# Altium PCB SAMA5D27-SOM1-MFG-03.PcbDoc (part 3 of 6)
Units mm, origin at the board's own origin, x right, y up, seen from the top; angles counter-clockwise.
Board outline 40.03 x 38.03 mm, 6 copper layers (TOP, GND, IN2, IN3, PWR, BOTTOM), stack 1.24 mm thick; 188 components, 224 nets, 901 pads, 644 vias.
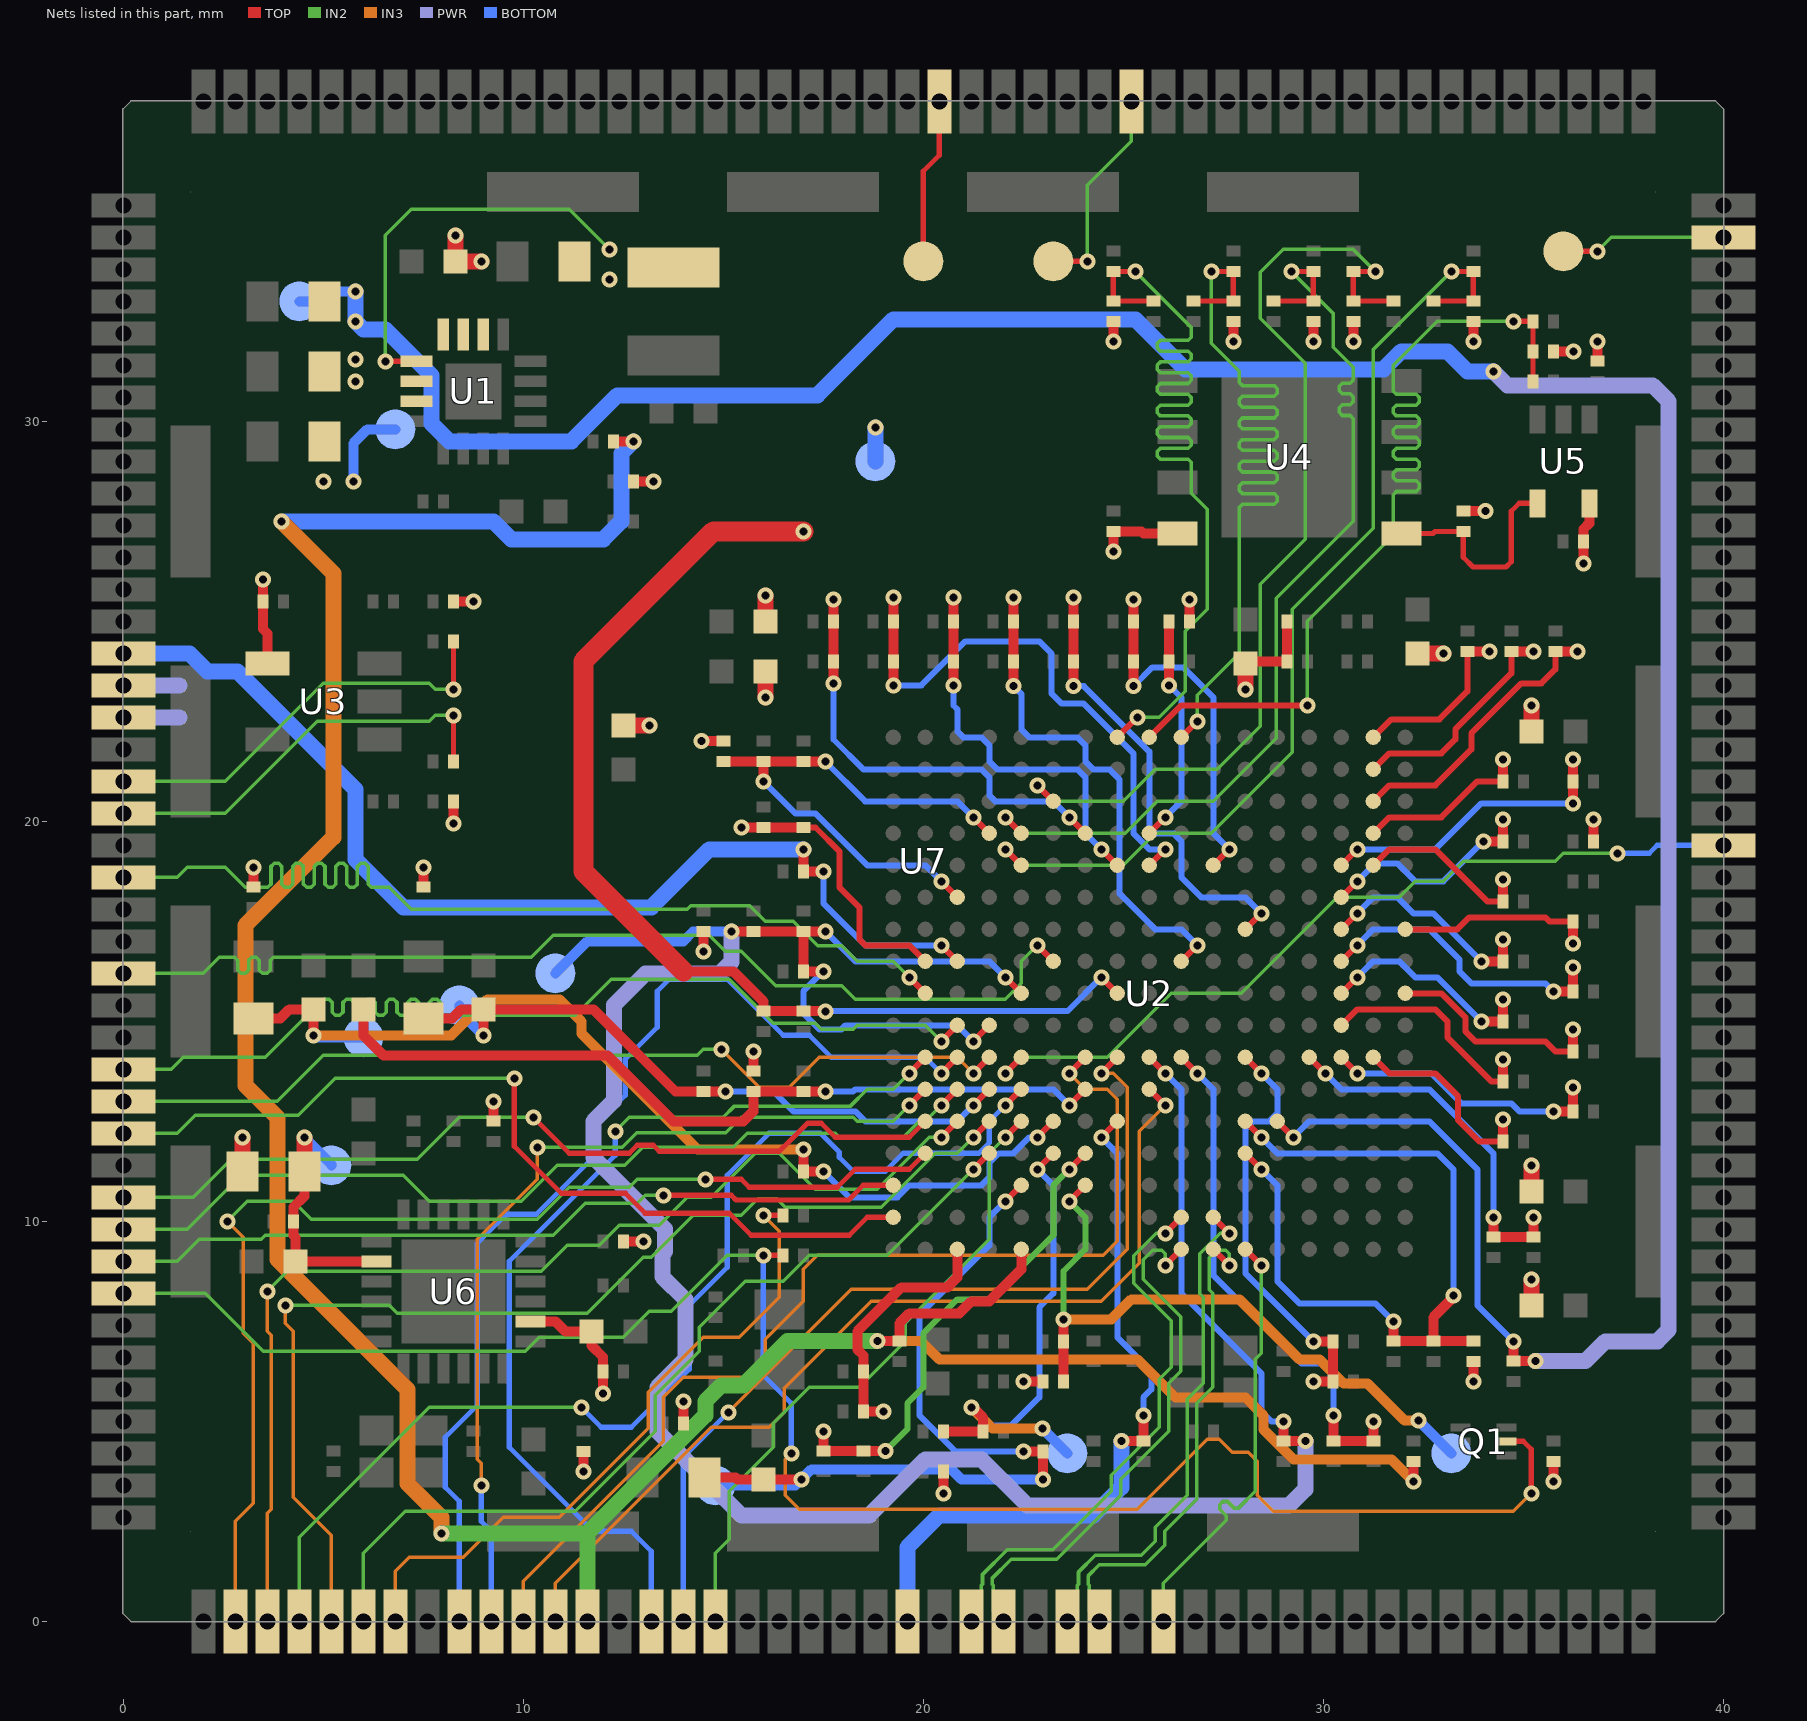
[diagram p7: the nets of this part, all layers, seen from the top]

## Via types
v1: diameter 0.4, hole 0.2, TOP to BOTTOM, tented both sides, 644 vias

## Nets (pads, with @x,y where several pads share a name; then routed paths per layer and width w, separated by ;. In a path a pad name is that pad's centre, name@x,y a point inside that pad or via, vN(x,y) a via of type N, cw(c..) or ccw(c..) an arc to the next point about the centre after c; other vN are vias at no path point) (continued)
PD06/PCK1/NCS2/PTCROW3: U2.J2 U7.22 | length 26.6
  TOP w0.15: v1(19.65,16.1) U2.J2@20.05,15.7
  IN2 w0.09: U7.22@0,18.6 1.35,18.6 1.6,18.85 2.55,18.85 3.05,18.35 3.615,18.35 3.694,18.429 3.694,18.871 3.773,18.95 3.885,18.95 3.964,18.871 3.964,18.429 4.043,18.35 4.155,18.35 4.234,18.429 4.234,18.871 4.313,18.95 4.425,18.95 4.504,18.871 4.504,18.429 4.583,18.35 4.695,18.35 4.774,18.429 4.774,18.871 4.853,18.95 4.965,18.95 5.044,18.871 5.044,18.429 5.123,18.35 5.235,18.35 5.314,18.429 5.314,18.871 5.393,18.95 5.505,18.95 5.584,18.871 5.584,18.429 5.663,18.35 5.775,18.35 5.854,18.429 5.854,18.871 5.933,18.95 6.045,18.95 6.124,18.871 6.124,18.429 6.203,18.35 6.65,18.35 7.2,17.8 14.1,17.8 14.185,17.885 15.665,17.885 16.05,17.5 16.75,17.5 17.365,16.885 17.965,16.885 18.35,16.5 19.25,16.5 v1(19.65,16.1)
PD07/NWR1/NBS1/PTCROW4: U2.H6 U7.25 | length 26.6
  TOP w0.15: v1(22.85,16.9) U2.H6@23.25,16.5
  IN2 w0.09: U7.25@0,16.2 2,16.2 2.4,16.6 2.784,16.6 2.863,16.521 2.863,16.279 2.942,16.2 3.054,16.2 3.133,16.279 3.133,16.521 3.212,16.6 3.324,16.6 3.403,16.521 3.403,16.279 3.482,16.2 3.594,16.2 3.673,16.279 3.673,16.521 3.752,16.6 10.2,16.6 10.75,17.15 14.65,17.15 15.05,16.75 15.45,16.75 16.315,15.885 17.965,15.885 18.3,15.55 22.05,15.55 22.45,15.95 22.45,16.5 v1(22.85,16.9)
PD08/NANDRDY/PTCROW5: U2.K3 U7.28 | length 26.4
  TOP w0.15: v1(20.45,14.5) U2.K3@20.85,14.9
  IN2 w0.09: U7.28@0,13.8 1.2,13.8 1.5,14.1 3.55,14.1 4.6,15.15 4.874,15.15 4.953,15.229 4.953,15.471 5.032,15.55 5.143,15.55 5.223,15.471 5.223,15.229 5.302,15.15 5.413,15.15 5.493,15.229 5.493,15.471 5.572,15.55 5.683,15.55 5.763,15.471 5.763,15.229 5.842,15.15 5.954,15.15 6.033,15.229 6.033,15.471 6.112,15.55 6.224,15.55 6.303,15.471 6.303,15.229 6.382,15.15 6.493,15.15 6.573,15.229 6.573,15.471 6.652,15.55 6.763,15.55 6.843,15.471 6.843,15.229 6.922,15.15 7.033,15.15 7.113,15.229 7.113,15.471 7.192,15.55 7.304,15.55 7.383,15.471 7.383,15.229 7.462,15.15 7.574,15.15 7.653,15.229 7.653,15.471 7.732,15.55 7.843,15.55 7.923,15.471 7.923,15.229 8.002,15.15 11.3,15.15 12.2,16.05 15.15,16.05 16.25,14.95 17.3,14.95 17.45,14.8 18.25,14.8 18.35,14.9 20.05,14.9 v1(20.45,14.5)
PD19/PCK0/TWD1/AD0: U2.L8 U7.58 | length 22.8
  TOP w0.15: v1(24.45,13.7) U2.L8@24.85,14.1
  IN3 w0.09: v1(15.125,5.225) 18.2,8.3 24.1,8.3 25.1,9.3 25.1,13.35 24.75,13.7 v1(24.45,13.7)
  BOTTOM w0.13: U7.58@14,0 14,4.1 v1(15.125,5.225)
PD20/TIOA2/TWCK1/AD1: U2.L2 U7.57 | length 23.9
  TOP w0.15: v1(19.65,13.7) U2.L2@20.05,14.1
  IN2 w0.09: v1(12.3,12.25) 12.65,12.6 15,12.6 15.28,12.88 18.18,12.88 18.6,13.3 19.25,13.3 v1(19.65,13.7)
  BOTTOM w0.13: v1(12.3,12.25) 12.3,11.65 9.65,9 9.65,4.35 11.75,2.25 12.7,2.25 13.2,1.75 U7.57@13.2,0
PD21/EEPROM_TWD_PD21: R27.1 U7.19 | length 10.5
  TOP w0.13: v1(8.25,23.3) 8.255,23.305 R27.1@8.255,24.5
  IN2 w0.09: U7.19@0,21 2.55,21 5,23.45 7.65,23.45 7.8,23.3 v1(8.25,23.3)
PD22/EEPROM_TWCK_PD22: R26.1 U7.20 | length 10.4
  TOP w0.13: R26.1@8.255,21.5 v1(8.255,22.65)
  IN2 w0.09: U7.20@0,20.2 2.55,20.2 4.85,22.5 7.65,22.5 7.8,22.65 v1(8.255,22.65)
PD23/DBGU_RXD: U2.T1 U7.30 | length 22.6
  TOP w0.13: v1(9.775,13.575) 9.775,11.875 10.95,10.7 12.55,10.7 13.05,10.2 15.15,10.2 15.7,9.65 18.15,9.65 18.6,10.1 U2.T1@19.25,10.1
  IN2 w0.09: U7.30@0,12.2 1.35,12.2 1.8,12.65 4.375,12.65 5.3,13.575 v1(9.775,13.575)
PD24/DBGU_TXD: U2.L4 U7.29 | length 23.2
  TOP w0.15: v1(21.25,13.7) U2.L4@21.65,14.1
  IN2 w0.09: U7.29@0,13 3.85,13 5,14.15 14.35,14.15 14.5,14.3 v1(14.95,14.3)
  IN3 w0.09: v1(14.95,14.3) 15.9,13.35 16.65,13.35 17.4,14.1 20.85,14.1 v1(21.25,13.7)
PD25/AD6: U2.L5 U7.110 | length 20.9
  TOP w0.15: v1(22.05,13.7) U2.L5@22.45,14.1
  IN2 w0.09: v1(22.05,13.7) 22.45,14.1 24.6,14.1 26.2,15.7 27.95,15.7 30.35,18.1 31.9,18.1 32.3,18.5 33,18.5 33.5,19 35.8,19 36,19.2 v1(37.35,19.2)
  BOTTOM w0.13: v1(37.35,19.2) 38.15,19.2 38.35,19.4 U7.110@40,19.4
PD26/AD7: U2.R1 U7.34 | length 20.1
  TOP w0.13: v1(13.5,10.65) 15.2,10.65 15.315,10.535 18.135,10.535 18.5,10.9 U2.R1@19.25,10.9
  IN2 w0.09: U7.34@0,9 1.35,9 1.9,9.55 3.45,9.55 3.55,9.65 10.75,9.65 11.55,10.45 12.85,10.45 13.05,10.65 v1(13.5,10.65)
PD27/JTAG_TCK: U2.L7 U7.53 | length 26.3
  TOP w0.15: v1(23.65,13.7) U2.L7@24.05,14.1
  IN3 w0.09: U7.53@10,0 10,1 13.5,4.5 13.5,5.6 14,6.1 15.5,6.1 16.05,6.65 16.05,7.05 17,8 17,8.8 17.35,9.15 24.5,9.15 24.85,9.5 24.85,13.05 24.6,13.3 24.05,13.3 v1(23.65,13.7)
PD28/JTAG_TDI: U2.L3 U7.51 | length 27.3
  TOP w0.15: v1(20.45,13.7) U2.L3@20.85,14.1
  BOTTOM w0.13: U7.51@8.4,0 8.4,3 8.05,3.35 8.05,4.6 8.85,5.4 8.85,9.45 9.575,10.175 10.325,10.175 11.85,11.7 11.85,12.45 12.55,13.15 12.55,14.05 13.35,14.85 13.35,15.75 13.65,16.05 15.1,16.05 16.5,14.65 17.15,14.65 17.7,14.1 20.05,14.1 v1(20.45,13.7)
PD29/JTAG_TDO: U2.M2 U7.52 | length 23
  TOP w0.15: v1(19.65,12.9) U2.M2@20.05,13.3
  IN2 w0.09: v1(10.35,11.85) 12.475,11.85 12.835,12.21 15.06,12.21 15.45,12.6 18.25,12.6 18.35,12.5 19.25,12.5 v1(19.65,12.9)
  IN3 w0.09: v1(8.95,3.4) 8.95,3.95 8.85,4.05 8.85,9.55 10.35,11.05 v1(10.35,11.85)
  BOTTOM w0.13: v1(8.95,3.4) 8.95,2.5 9.2,2.25 U7.52@9.2,0
PD30/JTAG_TMS: U2.M9 U7.54 | length 24
  TOP w0.15: U2.M9@25.65,13.3 v1(26.05,12.9)
  IN3 w0.09: U7.54@10.8,0 10.8,0.95 14.7,4.85 16.15,4.85 16.525,5.225 16.525,5.825 18.7,8 24.45,8 25.4,8.95 25.4,12.25 v1(26.05,12.9)
PIOBU1: U2.M3 U7.33 | length 22.9
  TOP w0.15: v1(20.45,12.9) U2.M3@20.85,13.3
  IN2 w0.09: U7.33@0,9.8 1.6,9.8 2.95,11.15 7,11.15 7.65,10.5 9.95,10.5 10.85,11.4 12.534,11.4 12.984,11.85 15.25,11.85 15.6,12.2 17.8,12.2 17.9,12.1 19.5,12.1 19.95,12.55 20.1,12.55 v1(20.45,12.9)
PIOBU2: U2.P2 U7.44 | length 29.1
  TOP w0.13: v1(14.55,11.05) 15.45,11.05 15.65,10.85 17.85,10.85 18.3,11.3 19.65,11.3 U2.P2@20.05,11.7
  IN2 w0.09: v1(2.6,10) 3.1,10.5 4.25,10.5 4.7,10.05 10.35,10.05 11.15,10.85 12.65,10.85 12.85,11.05 v1(14.55,11.05)
  IN3 w0.09: v1(2.6,10) 3,9.6 3,7.2 3.25,6.95 3.25,2.95 2.8,2.5 U7.44@2.8,0
PIOBU3: U2.P4 U7.48 | length 22.4
  TOP w0.15: v1(21.25,11.3) U2.P4@21.65,11.7
  IN2 w0.09: U7.48@6,0 6,1.7 7.05,2.75 11.3,2.75 13.3,4.75 13.3,5.65 14.4,6.75 14.4,7.35 15.55,8.5 16.5,8.5 17.15,9.15 19.1,9.15 v1(21.25,11.3)
PIOBU4: U2.N4 U7.47 | length 28.2
  TOP w0.15: v1(21.25,12.1) U2.N4@21.65,12.5
  IN2 w0.09: v1(4.05,7.9) 6.65,7.9 6.85,7.7 11.6,7.7 13,9.1 13.2,9.1 14.25,10.15 15.45,10.15 15.85,10.55 16.35,10.55 16.55,10.35 18.95,10.35 20.3,11.7 20.85,11.7 v1(21.25,12.1)
  IN3 w0.09: v1(4.05,7.9) 4.05,7.45 4.25,7.25 4.25,3.1 5.2,2.15 U7.47@5.2,0
PIOBU5: U2.M5 U7.46 | length 28.7
  TOP w0.15: v1(22.05,12.9) U2.M5@22.45,13.3
  IN2 w0.09: U7.46@4.4,0 4.4,2.1 7.65,5.35 v1(11.45,5.35)
  BOTTOM w0.13: v1(11.45,5.35) 11.95,4.85 12.7,4.85 14.15,6.3 14.15,7.9 15.1,8.85 15.1,11.15 16.15,12.2 17.429,12.2 17.9,11.729 17.9,11.6 18.25,11.25 19.05,11.25 19.5,11.7 21.395,11.7 21.65,11.955 21.65,12.5 v1(22.05,12.9)
PIOBU6: U2.N5 U7.59 | length 16.4
  TOP w0.15: v1(22.05,12.1) U2.N5@22.45,12.5
  IN2 w0.09: U7.59@14.8,0 14.8,1.7 15.15,2.05 15.15,3.25 16.25,4.35 16.25,4.95 17.15,5.85 18.4,5.85 19.55,7 19.55,7.45 21.65,9.55 21.65,11.7 v1(22.05,12.1)
PIOBU7: U2.N3 U7.45 | length 28.1
  TOP w0.15: v1(20.45,12.1) U2.N3@20.85,12.5
  IN2 w0.09: v1(3.6,8.25) 4.1,8.75 10.45,8.75 11.1,9.4 11.9,9.4 12.4,9.9 13.4,9.9 14.1,10.6 14.7,10.6 15.8,11.7 16.4,11.7 17.3,10.8 18.85,10.8 20.15,12.1 v1(20.45,12.1)
  IN3 w0.09: U7.45@3.6,0 3.6,2.7 3.7,2.8 3.7,7.15 3.6,7.25 v1(3.6,8.25)
QSPI_CS#: R35.1 U4.1 U5.4 | length 5.6
  TOP w0.13: U4.1@31.95,27.195 32.745,27.195 32.795,27.245 R35.1@33.5,27.245 33.5,26.6 33.743,26.357 34.57,26.357 34.7,26.487 34.7,27.75 34.9,27.95 U5.4@35.35,27.95
QSPI_CS_PB06: R34.1 R39.2 R44.2 U2.A9 | length 24.7
  TOP w0.13: v1(34.75,32.5) R44.2@35.245,32.5 R34.1@35.245,31.75 R39.2@35.245,31
  TOP w0.15: U2.A9@25.65,22.1 26.45,22.9 v1(29.6,22.9)
  IN2 w0.09: v1(29.6,22.9) 29.6,25 31.75,27.15 31.75,28.165 31.829,28.244 32.321,28.244 32.4,28.323 32.4,28.435 32.321,28.514 31.829,28.514 31.75,28.593 31.75,28.705 31.829,28.784 32.321,28.784 32.4,28.863 32.4,28.975 32.321,29.054 31.829,29.054 31.75,29.133 31.75,29.245 31.829,29.324 32.321,29.324 32.4,29.403 32.4,29.515 32.321,29.594 31.829,29.594 31.75,29.673 31.75,29.785 31.829,29.864 32.321,29.864 32.4,29.943 32.4,30.055 32.321,30.134 31.829,30.134 31.75,30.213 31.75,30.325 31.829,30.404 32.321,30.404 32.4,30.483 32.4,30.595 32.321,30.674 31.829,30.674 31.75,30.753 31.75,31.4 32.85,32.5 v1(34.75,32.5)
QSPI_IO0_PB07: R32.1 R36.1 R42.1 U2.D5 | length 24.9
  TOP w0.13: R36.1@28.75,33.005 R32.1@29.75,33.005 R42.1@29.75,33.745 v1(29.2,33.745)
  TOP w0.15: v1(22.05,20.1) U2.D5@22.45,19.7
  IN2 w0.09: v1(22.05,20.1) 22.45,19.7 25.05,19.7 25.85,20.5 27.25,20.5 28.825,22.075 28.825,25.575 30.75,27.5 30.75,30.065 30.671,30.145 30.479,30.145 30.4,30.224 30.4,30.335 30.479,30.415 30.671,30.415 30.75,30.494 30.75,30.605 30.671,30.685 30.479,30.685 30.4,30.764 30.4,30.876 30.479,30.955 30.671,30.955 30.75,31.034 30.75,31.35 30.25,31.85 30.25,32.695 v1(29.2,33.745)
QSPI_IO1_PB08: R31.1 R37.1 R43.1 U2.E5 | length 25
  TOP w0.13: R37.1@32.75,33.005 R31.1@33.75,33.005 R43.1@33.75,33.745 v1(33.2,33.745)
  TOP w0.15: v1(22.05,19.3) U2.E5@22.45,18.9
  IN2 w0.09: v1(22.05,19.3) 22.45,18.9 25,18.9 25.8,19.7 27.2,19.7 29.225,21.725 29.225,25.3 31.25,27.325 31.25,31.795 v1(33.2,33.745)
QSPI_IO2_PB09: R30.1 R38.1 R45.1 U2.C6 | length 25
  TOP w0.13: v1(31.3,33.745) R45.1@30.75,33.745 R30.1@30.75,33.005 R38.1@31.75,33.005
  TOP w0.15: v1(22.85,20.9) U2.C6@23.25,20.5
  IN2 w0.09: v1(22.85,20.9) 23.25,20.5 25,20.5 25.8,21.3 27.35,21.3 28.425,22.375 28.425,25.925 29.55,27.05 29.55,31.45 28.425,32.575 28.425,33.725 29,34.3 30.745,34.3 v1(31.3,33.745)
QSPI_IO3_PB10: R29.1 R40.1 R46.1 U2.A8 | length 25
  TOP w0.13: v1(25.3,33.745) R46.1@24.75,33.745 R29.1@24.75,33.005 R40.1@25.75,33.005
  TOP w0.15: U2.A8@24.85,22.1 v1(25.35,22.6)
  IN2 w0.09: v1(25.3,33.745) 26.7,32.345 26.7,32.103 26.621,32.024 25.929,32.024 25.85,31.945 25.85,31.833 25.929,31.754 26.621,31.754 26.7,31.675 26.7,31.563 26.621,31.484 25.929,31.484 25.85,31.405 25.85,31.293 25.929,31.214 26.621,31.214 26.7,31.135 26.7,31.023 26.621,30.944 25.929,30.944 25.85,30.865 25.85,30.753 25.929,30.674 26.621,30.674 26.7,30.595 26.7,30.483 26.621,30.404 25.929,30.404 25.85,30.325 25.85,30.213 25.929,30.134 26.621,30.134 26.7,30.055 26.7,29.943 26.621,29.864 25.929,29.864 25.85,29.785 25.85,29.673 25.929,29.594 26.621,29.594 26.7,29.515 26.7,29.403 26.621,29.324 25.929,29.324 25.85,29.245 25.85,29.133 25.929,29.054 26.621,29.054 26.7,28.975 26.7,28.2 27.1,27.8 27.1,25.3 26.55,24.75 26.55,23.25 26.25,22.95 25.9,22.6 v1(25.35,22.6)
QSPI_SCK_PB05: R28.1 R41.1 R47.1 U2.A10 | length 25.1
  TOP w0.13: R41.1@26.75,33.005 R28.1@27.75,33.005 R47.1@27.75,33.745 v1(27.2,33.745)
  TOP w0.15: U2.A10@26.45,22.1 v1(26.85,22.5)
  IN2 w0.09: v1(26.85,22.5) 26.85,23.15 27.9,24.2 27.9,27.843 27.979,27.922 28.771,27.922 28.85,28.002 28.85,28.113 28.771,28.192 27.979,28.192 27.9,28.272 27.9,28.383 27.979,28.463 28.771,28.463 28.85,28.542 28.85,28.653 28.771,28.733 27.979,28.733 27.9,28.812 27.9,28.923 27.979,29.002 28.771,29.002 28.85,29.082 28.85,29.193 28.771,29.272 27.979,29.272 27.9,29.352 27.9,29.463 27.979,29.543 28.771,29.543 28.85,29.622 28.85,29.733 28.771,29.813 27.979,29.813 27.9,29.892 27.9,30.003 27.979,30.083 28.771,30.083 28.85,30.162 28.85,30.273 28.771,30.352 27.979,30.352 27.9,30.432 27.9,30.543 27.979,30.622 28.771,30.622 28.85,30.702 28.85,30.813 28.771,30.893 27.979,30.893 27.9,30.972 27.9,31.25 27.2,31.95 v1(27.2,33.745)
RFU0: TP13.1 U7.129 | length 4.1
  TOP w0.13: TP13.1@36,34.25 v1(36.85,34.25)
  IN2 w0.09: v1(36.85,34.25) 37.2,34.6 U7.129@40,34.6
RFU1: TP12.1 U7.147 | length 5.3
  TOP w0.13: TP12.1@23.25,34 v1(24.1,34)
  IN2 w0.09: v1(24.1,34) 24.1,35.9 25.2,37 U7.147@25.2,38
RFU2: TP11.1 U7.153 | length 4.2
  TOP w0.13: TP11.1@20,34 20,36.25 20.4,36.65 U7.153@20.4,38
RXD: U2.N2 U7.32 | length 22
  TOP w0.13: v1(10.25,12.6) 11.15,11.7 12.65,11.7 12.85,11.9 13.25,11.9 13.4,11.75 16.404,11.75 17.104,12.45 17.45,12.45 17.8,12.1 19.65,12.1 U2.N2@20.05,12.5
  IN2 w0.09: U7.32@0,10.6 1.75,10.6 2.7,11.55 7.35,11.55 8.4,12.6 v1(10.25,12.6)
SHDN: Q1.2 R15.1 U7.35 | length 47.2
  TOP w0.13: v1(16,9.15) R15.1@16.495,9.15 ; Q1.2@34.575,4.5 35,4.5 35.2,4.3 v1(35.2,3.2)
  IN2 w0.09: U7.35@0,8.2 2.05,8.2 3.5,6.75 10.05,6.75 10.4,7.1 12.5,7.1 13.15,7.75 13.7,7.75 15.1,9.15 v1(16,9.15)
  IN3 w0.09: v1(16.7,4.2) 16.55,4.05 16.55,3.15 16.9,2.8 25.35,2.8 27.1,4.55 27.4,4.55 27.725,4.225 28.125,4.225 28.35,4 28.35,3.15 28.75,2.75 34.75,2.75 v1(35.2,3.2)
  BOTTOM w0.13: v1(16,9.15) 16,6.15 16.7,5.45 v1(16.7,4.2)
STROBE: U2.U12 U7.73 | length 11.1
  TOP w0.15: U2.U12@28.05,9.3 v1(28.45,8.9)
  IN2 w0.09: U7.73@26,0 26,0.95 27.578,2.528 27.578,2.64 27.415,2.803 27.415,2.915 27.494,2.994 27.606,2.994 27.769,2.831 27.881,2.831 28.3,3.25 28.3,6.55 28.45,6.7 v1(28.45,8.9)
USBA_M: U2.T10 U7.67 | length 13.9
  TOP w0.15: v1(26.05,9.7) U2.T10@26.45,10.1
  IN2 w0.09: U7.67@21.2,0 21.45,0.25 21.45,0.9 21.48,0.93 21.48,1.169 22.1,1.79 23.24,1.79 24.7,3.25 24.7,3.65 25.9,4.85 25.9,6.05 26.2,6.35 26.2,7.511 25.26,8.451 25.26,9.137 25.823,9.7 v1(26.05,9.7)
USBA_P: U2.U10 U7.68 | length 13.7
  TOP w0.15: v1(26.05,8.9) U2.U10@26.45,9.3
  IN2 w0.09: U7.68@22,0 21.75,0.25 21.75,0.9 21.72,0.93 21.72,1.07 22.2,1.55 23.34,1.55 24.94,3.15 24.94,3.551 26.14,4.751 26.14,5.951 26.44,6.251 26.44,7.61 25.5,8.55 25.5,9.037 25.738,9.275 25.96,9.275 26.05,9.185 v1(26.05,8.9)
USBB_M: U2.T11 U7.70 | length 12.8
  TOP w0.15: U2.T11@27.25,10.1 v1(27.65,9.7)
  IN2 w0.09: U7.70@23.6,0 23.85,0.25 23.85,0.9 23.88,0.93 23.88,1.23 24.3,1.65 25.45,1.65 25.8,2 25.8,2.35 26.6,3.15 26.6,5.55 27,5.95 27,8.1 26.913,8.187 26.913,9.189 27.423,9.7 v1(27.65,9.7)
USBB_P: U2.U11 U7.71 | length 12.7
  TOP w0.15: U2.U11@27.25,9.3 v1(27.65,8.9)
  IN2 w0.09: U7.71@24.4,0 24.15,0.25 24.15,0.9 24.12,0.93 24.12,1.13 24.4,1.41 25.549,1.41 26.04,1.9 26.04,2.251 26.84,3.05 26.84,5.45 27.24,5.85 27.24,8.2 27.153,8.287 27.153,9.09 27.338,9.275 27.56,9.275 27.65,9.185 v1(27.65,8.9)
VDDA_3V3: C93.2 C94.2 L12.1 TP10.1 U6.2 | length 6.2
  TOP w0.25: L12.1@4.525,11.25 4.525,10.625 4.255,10.355 C94.2@4.255,10 4.255,9.645 4.3,9.6 C93.2@4.3,9 U6.2@6.325,9
  TOP w0.4: L12.1@4.525,11.25 v1(4.525,12.1)
  BOTTOM w0.25: v1(4.525,12.1) 5.2,11.425 TP10.1@5.2,11.4
VDDANA: C39.2 C40.2 C41.2 L4.2 TP3.1 U2.J5 U2.K4 U2.L9 | length 68.2
  TOP w0.15: v1(21.25,14.5) U2.K4@21.65,14.9 ; v1(22.05,16.1) U2.J5@22.45,15.7 ; U2.L9@25.65,14.1 v1(26.05,13.7)
  TOP w0.25: v1(15.2,17.245) L4.2@15.75,17.245 C41.2@17,17.245 ; v1(17.5,16.25) C40.2@17.005,16.25 17.005,17.24 C41.2@17,17.245 ; v1(17.55,17.25) 17.545,17.245 C41.2@17,17.245 ; v1(29,5) C39.2@29,4.505 v1(29.55,4.505)
  PWR w0.4: v1(15.2,17.245) 15.2,16.483 14.917,16.2 13.058,16.2 12.262,15.404 12.262,13.012 11.75,12.5 11.75,11.6 13.542,9.808 13.542,9.242 13.48,9.18 13.48,8.614 14.05,8.044 14.05,6.55 13.35,5.85 13.35,4.75 15.45,2.65 18.65,2.65 20.05,4.05 21.45,4.05 22.6,2.9 29.15,2.9 29.55,3.3 v1(29.55,4.505)
  BOTTOM w0.15: v1(17.5,16.25) 17,15.75 17,15.2 17.4,14.8 17.95,14.8 18.05,14.9 20.85,14.9 v1(21.25,14.5) ; v1(17.55,17.25) 18.3,16.5 21.65,16.5 v1(22.05,16.1) ; v1(26.05,13.7) 26.45,13.3 26.45,8.2 28.45,6.2 28.45,5.25 28.7,5 v1(29,5)
  BOTTOM w0.25: TP3.1@10.8,16.2 11.6,17 14,17 14.245,17.245 v1(15.2,17.245)
VDDAUDIOPLL: C59.2 C60.2 L11.2 TP9.1 U2.M4 | length 17.4
  TOP w0.15: v1(21.25,12.9) U2.M4@21.65,13.3
  TOP w0.25: L11.2@7.5,15.075 8.225,15.075 8.45,15.3 C59.2@9,15.3 ; v1(9,14.65) C59.2@9,15.3 ; v1(15.05,13.245) C60.2@14.5,13.245 13.805,13.245 11.75,15.3 C59.2@9,15.3
  BOTTOM w0.15: v1(15.05,13.245) 15.055,13.25 16.25,13.25 16.75,12.75 18.3,12.75 18.55,12.5 20.85,12.5 v1(21.25,12.9)
  BOTTOM w0.25: TP9.1@8.4,15.4 8.4,15.25 v1(9,14.65)
VDDBU: C58.2 R1.2 R4.2 U2.U5 U7.55 | length 76.2
  TOP w0.25: R1.2@12.255,29.5 v1(12.75,29.5) ; v1(18.85,7.005) C58.2@19.4,7.005 19.4,7.45 19.65,7.7 20.9,7.7 21.2,8 21.65,8 22.45,8.8 U2.U5@22.45,9.3 ; v1(32.25,3.5) R4.2@32.25,3.995
  IN2 w0.4: v1(7.95,2.2) 11.6,2.2 ; U7.55@11.6,0 11.6,2.2 ; v1(18.85,7.005) 16.605,7.005 15.5,5.9 14.95,5.9 14.55,5.5 14.55,5.15 11.6,2.2
  IN3 w0.25: v1(18.85,7.005) 19.945,7.005 20.4,6.55 25.35,6.55 26.3,5.6 28.05,5.6 28.5,5.15 28.5,4.8 29.25,4.05 31.7,4.05 v1(32.25,3.5)
  IN3 w0.4: v1(3.95,27.5) 5.25,26.2 5.25,19.6 3.05,17.4 3.05,13.4 3.85,12.6 3.85,9.05 7.1,5.8 7.1,3.45 7.95,2.6 v1(7.95,2.2)
  BOTTOM w0.4: v1(3.95,27.5) 9.25,27.5 9.7,27.05 12,27.05 12.45,27.5 12.45,29.2 v1(12.75,29.5)
VDDCORE: C8.2 C10.2 C11.2 C14.2 C15.2 C16.2 C17.2 C18.2 C19.2 C20.2 C21.2 C22.2 C23.2 C24.2 L5.1 L8.1 R8.1 TP1.1 U1.11 U2.D7 U2.E9 U2.H2 U2.L12 U2.P7 U2.U3 | length 65.3
  TOP w0.15: C23.2@17,19.845 17.305,19.845 17.9,19.25 17.9,18.35 18.4,17.85 18.4,17.05 18.55,16.9 19.65,16.9 U2.H2@20.05,16.5 ; v1(23.65,11.3) U2.P7@24.05,11.7 ; v1(23.65,20.1) U2.D7@24.05,19.7 ; U2.E9@25.65,18.9 v1(26.05,19.3) ; U2.L12@28.05,14.1 v1(28.45,13.7)
  TOP w0.25: R8.1@14.005,4.95 v1(14.005,5.5) ; v1(15.45,19.845) C23.2@17,19.845 ; L8.1@15.75,13.755 v1(15.75,14.25) ; v1(17.5,4.75) C19.2@17.5,4.255 v1(19.05,4.255) ; v1(17.755,23.45) v1(17.755,25.55) ; v1(19,5.25) C20.2@18.505,5.25 18.505,6.645 18.35,6.8 18.35,7.25 19.45,8.35 20.6,8.35 20.85,8.6 U2.U3@20.85,9.3 ; v1(19.255,23.4) C16.2@19.255,25 v1(19.255,25.6) ; v1(22.5,6) L5.1@22.995,6 ; v1(29.75,6) C15.2@30.245,6 C21.2@30.245,7 v1(29.75,7)
  TOP w0.4: v1(16.05,23.1) C14.2@16.05,23.75
  IN2 w0.15: v1(19.05,4.255) 19.6,4.805 19.6,5.45 20,5.85 20,7.2 20.85,8.05 21.65,8.05 23.25,9.65 23.25,10.9 v1(23.65,11.3)
  BOTTOM w0.15: v1(17.755,23.45) 17.755,22.045 18.5,21.3 21.45,21.3 21.65,21.1 21.65,20.65 21.8,20.5 23.25,20.5 v1(23.65,20.1) ; v1(19.255,23.4) 19.95,23.4 21.05,24.5 22.9,24.5 23.2,24.2 23.2,23.2 23.45,22.95 24,22.95 25.25,21.7 25.25,19.7 25.65,19.3 v1(26.05,19.3) ; v1(28.45,13.7) 28.85,13.3 28.85,12.7 28.65,12.5 28.25,12.5 28.05,12.3 28.05,8.7 v1(29.75,7)

## Text inside footprints (layer, text, board x,y; h text height)
U7: PIN_NUMBER "147" at 23.676,36.73 h0.64 r90; PIN_NUMBER "20" at -2.286,20.2 h0.64; PIN_NUMBER "79" at 29.784,-1.27 h0.64 r90; PIN_NUMBER "86" at 35.384,-1.27 h0.64 r90; PIN_NUMBER "80" at 30.584,-1.27 h0.64 r90; PIN_NUMBER "76" at 27.384,-1.27 h0.64 r90; PIN_NUMBER "73" at 24.984,-1.27 h0.64 r90; PIN_NUMBER "74" at 25.784,-1.27 h0.64 r90; PIN_NUMBER "85" at 34.584,-1.27 h0.64 r90; PIN_NUMBER "84" at 33.784,-1.27 h0.64 r90; PIN_NUMBER "81" at 31.384,-1.27 h0.64 r90; PIN_NUMBER "83" at 32.984,-1.27 h0.64 r90; PIN_NUMBER "70" at 22.584,-1.27 h0.64 r90; PIN_NUMBER "71" at 23.384,-1.27 h0.64 r90; PIN_NUMBER "64" at 17.784,-1.27 h0.64 r90; PIN_NUMBER "63" at 16.984,-1.27 h0.64 r90; PIN_NUMBER "65" at 18.584,-1.27 h0.64 r90; PIN_NUMBER "44" at 1.784,-1.27 h0.64 r90; PIN_NUMBER "45" at 2.584,-1.27 h0.64 r90; PIN_NUMBER "59" at 13.784,-1.27 h0.64 r90; PIN_NUMBER "46" at 3.384,-1.27 h0.64 r90; PIN_NUMBER "47" at 4.184,-1.27 h0.64 r90; PIN_NUMBER "48" at 4.984,-1.27 h0.64 r90; PIN_NUMBER "33" at -2.286,9.8 h0.64; PIN_NUMBER "34" at -2.286,9 h0.64; PIN_NUMBER "49" at 5.784,-1.27 h0.64 r90; PIN_NUMBER "58" at 12.984,-1.27 h0.64 r90; PIN_NUMBER "57" at 12.184,-1.27 h0.64 r90; PIN_NUMBER "54" at 9.784,-1.27 h0.64 r90; PIN_NUMBER "52" at 8.184,-1.27 h0.64 r90; PIN_NUMBER "51" at 7.384,-1.27 h0.64 r90; PIN_NUMBER "53" at 8.984,-1.27 h0.64 r90; PIN_NUMBER "111" at 37.206,20.2 h0.64; PIN_NUMBER "61" at 15.384,-1.27 h0.64 r90; PIN_NUMBER "35" at -2.286,8.2 h0.64; PIN_NUMBER "68" at 20.984,-1.27 h0.64 r90; PIN_NUMBER "67" at 20.184,-1.27 h0.64 r90; PIN_NUMBER "60" at 14.584,-1.27 h0.64 r90; PIN_NUMBER "153" at 18.876,36.73 h0.64 r90; PIN_NUMBER "138" at 30.876,36.73 h0.64 r90; PIN_NUMBER "129" at 37.206,34.6 h0.64; PIN_NUMBER "112" at 37.206,21 h0.64; PIN_NUMBER "36" at -2.286,7.4 h0.64; PIN_NUMBER "104" at 37.206,14.6 h0.64; PIN_NUMBER "125" at 37.206,31.4 h0.64; PIN_NUMBER "90" at 37.714,3.4 h0.64; PIN_NUMBER "109" at 37.206,18.6 h0.64; PIN_NUMBER "95" at 37.714,7.4 h0.64; PIN_NUMBER "94" at 37.714,6.6 h0.64; PIN_NUMBER "105" at 37.206,15.4 h0.64; PIN_NUMBER "101" at 37.206,12.2 h0.64; PIN_NUMBER "19" at -2.286,21 h0.64; PIN_NUMBER "115" at 37.206,23.4 h0.64; PIN_NUMBER "55" at 10.584,-1.27 h0.64 r90; PIN_NUMBER "118" at 37.206,25.8 h0.64; PIN_NUMBER "106" at 37.206,16.2 h0.64; PIN_NUMBER "119" at 37.206,26.6 h0.64; PIN_NUMBER "103" at 37.206,13.8 h0.64; PIN_NUMBER "114" at 37.206,22.6 h0.64; PIN_NUMBER "93" at 37.714,5.8 h0.64; PIN_NUMBER "27" at -2.286,14.6 h0.64; PIN_NUMBER "124" at 37.206,30.6 h0.64; PIN_NUMBER "21" at -2.286,19.4 h0.64; PIN_NUMBER "117" at 37.206,25 h0.64; PIN_NUMBER "24" at -2.286,17 h0.64; PIN_NUMBER "23" at -2.286,17.8 h0.64; PIN_NUMBER "97" at 37.714,9 h0.64; PIN_NUMBER "30" at -2.286,12.2 h0.64; PIN_NUMBER "96" at 37.714,8.2 h0.64; PIN_NUMBER "29" at -2.286,13 h0.64; PIN_NUMBER "110" at 37.206,19.4 h0.64; PIN_NUMBER "102" at 37.206,13 h0.64; PIN_NUMBER "122" at 37.206,29 h0.64; PIN_NUMBER "28" at -2.286,13.8 h0.64; PIN_NUMBER "120" at 37.206,27.4 h0.64; PIN_NUMBER "15" at -2.286,24.2 h0.64; PIN_NUMBER "22" at -2.286,18.6 h0.64; PIN_NUMBER "100" at 37.206,11.4 h0.64; PIN_NUMBER "25" at -2.286,16.2 h0.64; PIN_NUMBER "99" at 37.714,10.6 h0.64; PIN_NUMBER "123" at 37.206,29.8 h0.64; PIN_NUMBER "32" at -2.286,10.6 h0.64; PIN_NUMBER "121" at 37.206,28.2 h0.64; PIN_NUMBER "6" at -1.778,31.4 h0.64; PIN_NUMBER "172" at 3.676,36.73 h0.64 r90; PIN_NUMBER "116" at 37.206,24.2 h0.64; PIN_NUMBER "5" at -1.778,32.2 h0.64; PIN_NUMBER "108" at 37.206,17.8 h0.64; PIN_NUMBER "174" at 2.076,36.73 h0.64 r90; PIN_NUMBER "12" at -2.286,26.6 h0.64; PIN_NUMBER "3" at -1.778,33.8 h0.64; PIN_NUMBER "4" at -1.778,33 h0.64; PIN_NUMBER "8" at -1.778,29.8 h0.64; PIN_NUMBER "11" at -2.286,27.4 h0.64; PIN_NUMBER "126" at 37.206,32.2 h0.64; PIN_NUMBER "9" at -1.778,29 h0.64; PIN_NUMBER "175" at 1.276,36.73 h0.64 r90; PIN_NUMBER "14" at -2.286,25 h0.64; PIN_NUMBER "173" at 2.876,36.73 h0.64 r90; PIN_NUMBER "170" at 5.276,36.73 h0.64 r90; PIN_NUMBER "2" at -1.778,34.6 h0.64; PIN_NUMBER "13" at -2.286,25.8 h0.64; PIN_NUMBER "7" at -1.778,30.6 h0.64; PIN_NUMBER "176" at 0.476,36.73 h0.64 r90; PIN_NUMBER "171" at 4.476,36.73 h0.64 r90; PIN_NUMBER "166" at 8.476,36.73 h0.64 r90; PIN_NUMBER "149" at 22.076,36.73 h0.64 r90; PIN_NUMBER "131" at 36.476,36.73 h0.64 r90; PIN_NUMBER "130" at 37.206,35.4 h0.64; PIN_NUMBER "107" at 37.206,17 h0.64; PIN_NUMBER "98" at 37.714,9.8 h0.64; PIN_NUMBER "89" at 37.714,2.6 h0.64; PIN_NUMBER "88" at 36.984,-1.27 h0.64 r90; PIN_NUMBER "75" at 26.584,-1.27 h0.64 r90; PIN_NUMBER "72" at 24.184,-1.27 h0.64 r90; PIN_NUMBER "69" at 21.784,-1.27 h0.64 r90; PIN_NUMBER "66" at 19.384,-1.27 h0.64 r90; PIN_NUMBER "62" at 16.184,-1.27 h0.64 r90; PIN_NUMBER "56" at 11.384,-1.27 h0.64 r90; PIN_NUMBER "50" at 6.584,-1.27 h0.64 r90; PIN_NUMBER "43" at 0.984,-1.27 h0.64 r90; PIN_NUMBER "42" at -2.286,2.6 h0.64; PIN_NUMBER "39" at -2.286,5 h0.64; PIN_NUMBER "31" at -2.286,11.4 h0.64; PIN_NUMBER "26" at -2.286,15.4 h0.64; PIN_NUMBER "18" at -2.286,21.8 h0.64; PIN_NUMBER "10" at -2.286,28.2 h0.64; PIN_NUMBER "1" at -1.778,35.4 h0.64; PIN_NUMBER "127" at 37.206,33 h0.64; PIN_NUMBER "141" at 28.476,36.73 h0.64 r90; PIN_NUMBER "17" at -2.286,22.6 h0.64; PIN_NUMBER "16" at -2.286,23.4 h0.64; PIN_NUMBER "134" at 34.076,36.73 h0.64 r90; PIN_NUMBER "37" at -2.286,6.6 h0.64; PIN_NUMBER "135" at 33.276,36.73 h0.64 r90; PIN_NUMBER "38" at -2.286,5.8 h0.64; PIN_NUMBER "132" at 35.676,36.73 h0.64 r90; PIN_NUMBER "128" at 37.206,33.8 h0.64; PIN_NUMBER "40" at -2.286,4.2 h0.64; PIN_NUMBER "41" at -2.286,3.4 h0.64; PIN_NUMBER "133" at 34.876,36.73 h0.64 r90; PIN_NUMBER "145" at 25.276,36.73 h0.64 r90; PIN_NUMBER "143" at 26.876,36.73 h0.64 r90; PIN_NUMBER "136" at 32.476,36.73 h0.64 r90; PIN_NUMBER "142" at 27.676,36.73 h0.64 r90; PIN_NUMBER "146" at 24.476,36.73 h0.64 r90; PIN_NUMBER "139" at 30.076,36.73 h0.64 r90; PIN_NUMBER "140" at 29.276,36.73 h0.64 r90; PIN_NUMBER "137" at 31.676,36.73 h0.64 r90; PIN_NUMBER "165" at 9.276,36.73 h0.64 r90; PIN_NUMBER "144" at 26.076,36.73 h0.64 r90; PIN_NUMBER "167" at 7.676,36.73 h0.64 r90; PIN_NUMBER "163" at 10.876,36.73 h0.64 r90; PIN_NUMBER "169" at 6.076,36.73 h0.64 r90; PIN_NUMBER "159" at 14.076,36.73 h0.64 r90; PIN_NUMBER "168" at 6.876,36.73 h0.64 r90; PIN_NUMBER "160" at 13.276,36.73 h0.64 r90; PIN_NUMBER "161" at 12.476,36.73 h0.64 r90; PIN_NUMBER "164" at 10.076,36.73 h0.64 r90; PIN_NUMBER "156" at 16.476,36.73 h0.64 r90; PIN_NUMBER "158" at 14.876,36.73 h0.64 r90; PIN_NUMBER "152" at 19.676,36.73 h0.64 r90; PIN_NUMBER "157" at 15.676,36.73 h0.64 r90; PIN_NUMBER "154" at 18.076,36.73 h0.64 r90; PIN_NUMBER "162" at 11.676,36.73 h0.64 r90; PIN_NUMBER "150" at 21.276,36.73 h0.64 r90; PIN_NUMBER "155" at 17.276,36.73 h0.64 r90; PIN_NUMBER "151" at 20.476,36.73 h0.64 r90; PIN_NUMBER "148" at 22.876,36.73 h0.64 r90; PIN_NUMBER "113" at 37.206,21.8 h0.64; PIN_NUMBER "91" at 37.714,4.2 h0.64; PIN_NUMBER "92" at 37.714,5 h0.64; PIN_NUMBER "87" at 36.184,-1.27 h0.64 r90; PIN_NUMBER "82" at 32.184,-1.27 h0.64 r90; PIN_NUMBER "77" at 28.184,-1.27 h0.64 r90; PIN_NUMBER "78" at 28.984,-1.27 h0.64 r90
Y1: PIN_NUMBER "4" at 28.139,6.068 h0.64 r180; PIN_NUMBER "2" at 24.939,7.117 h0.64 r180; PIN_NUMBER "3" at 24.939,6.017 h0.64 r180; PIN_NUMBER "1" at 28.089,7.167 h0.64 r180
Y2: PIN_NUMBER "2" at 16.16,7.8 h0.6 r180; PIN_NUMBER "1" at 16.16,6.3 h0.6 r180
Y3: PIN_NUMBER "3" at 4.689,4.018 h0.64 r180; PIN_NUMBER "1" at 7.839,5.168 h0.64 r180; PIN_NUMBER "4" at 7.889,4.068 h0.64 r180; PIN_NUMBER "2" at 4.689,5.118 h0.64 r180